# Altium PCB Main_Board.PcbDoc (part 14 of 19)
Units mil, origin at the board's own origin, x right, y up, seen from the top; angles counter-clockwise.
Board outline 5306 x 6610 mil, 12 copper layers ((L1) Top, (L2) Inner 1, (L3) Inner 2, (L4) Inner 3, (L5) Inner 4, (L6) Inner 5, (L7) Inner 6, (L8) Inner 7, (L9) Inner 8, (L10) Inner 9, (L11) Inner 10, (L12) Bottom), stack 94.81 mil thick; 347 components, 571 nets, 2611 pads, 4053 vias.
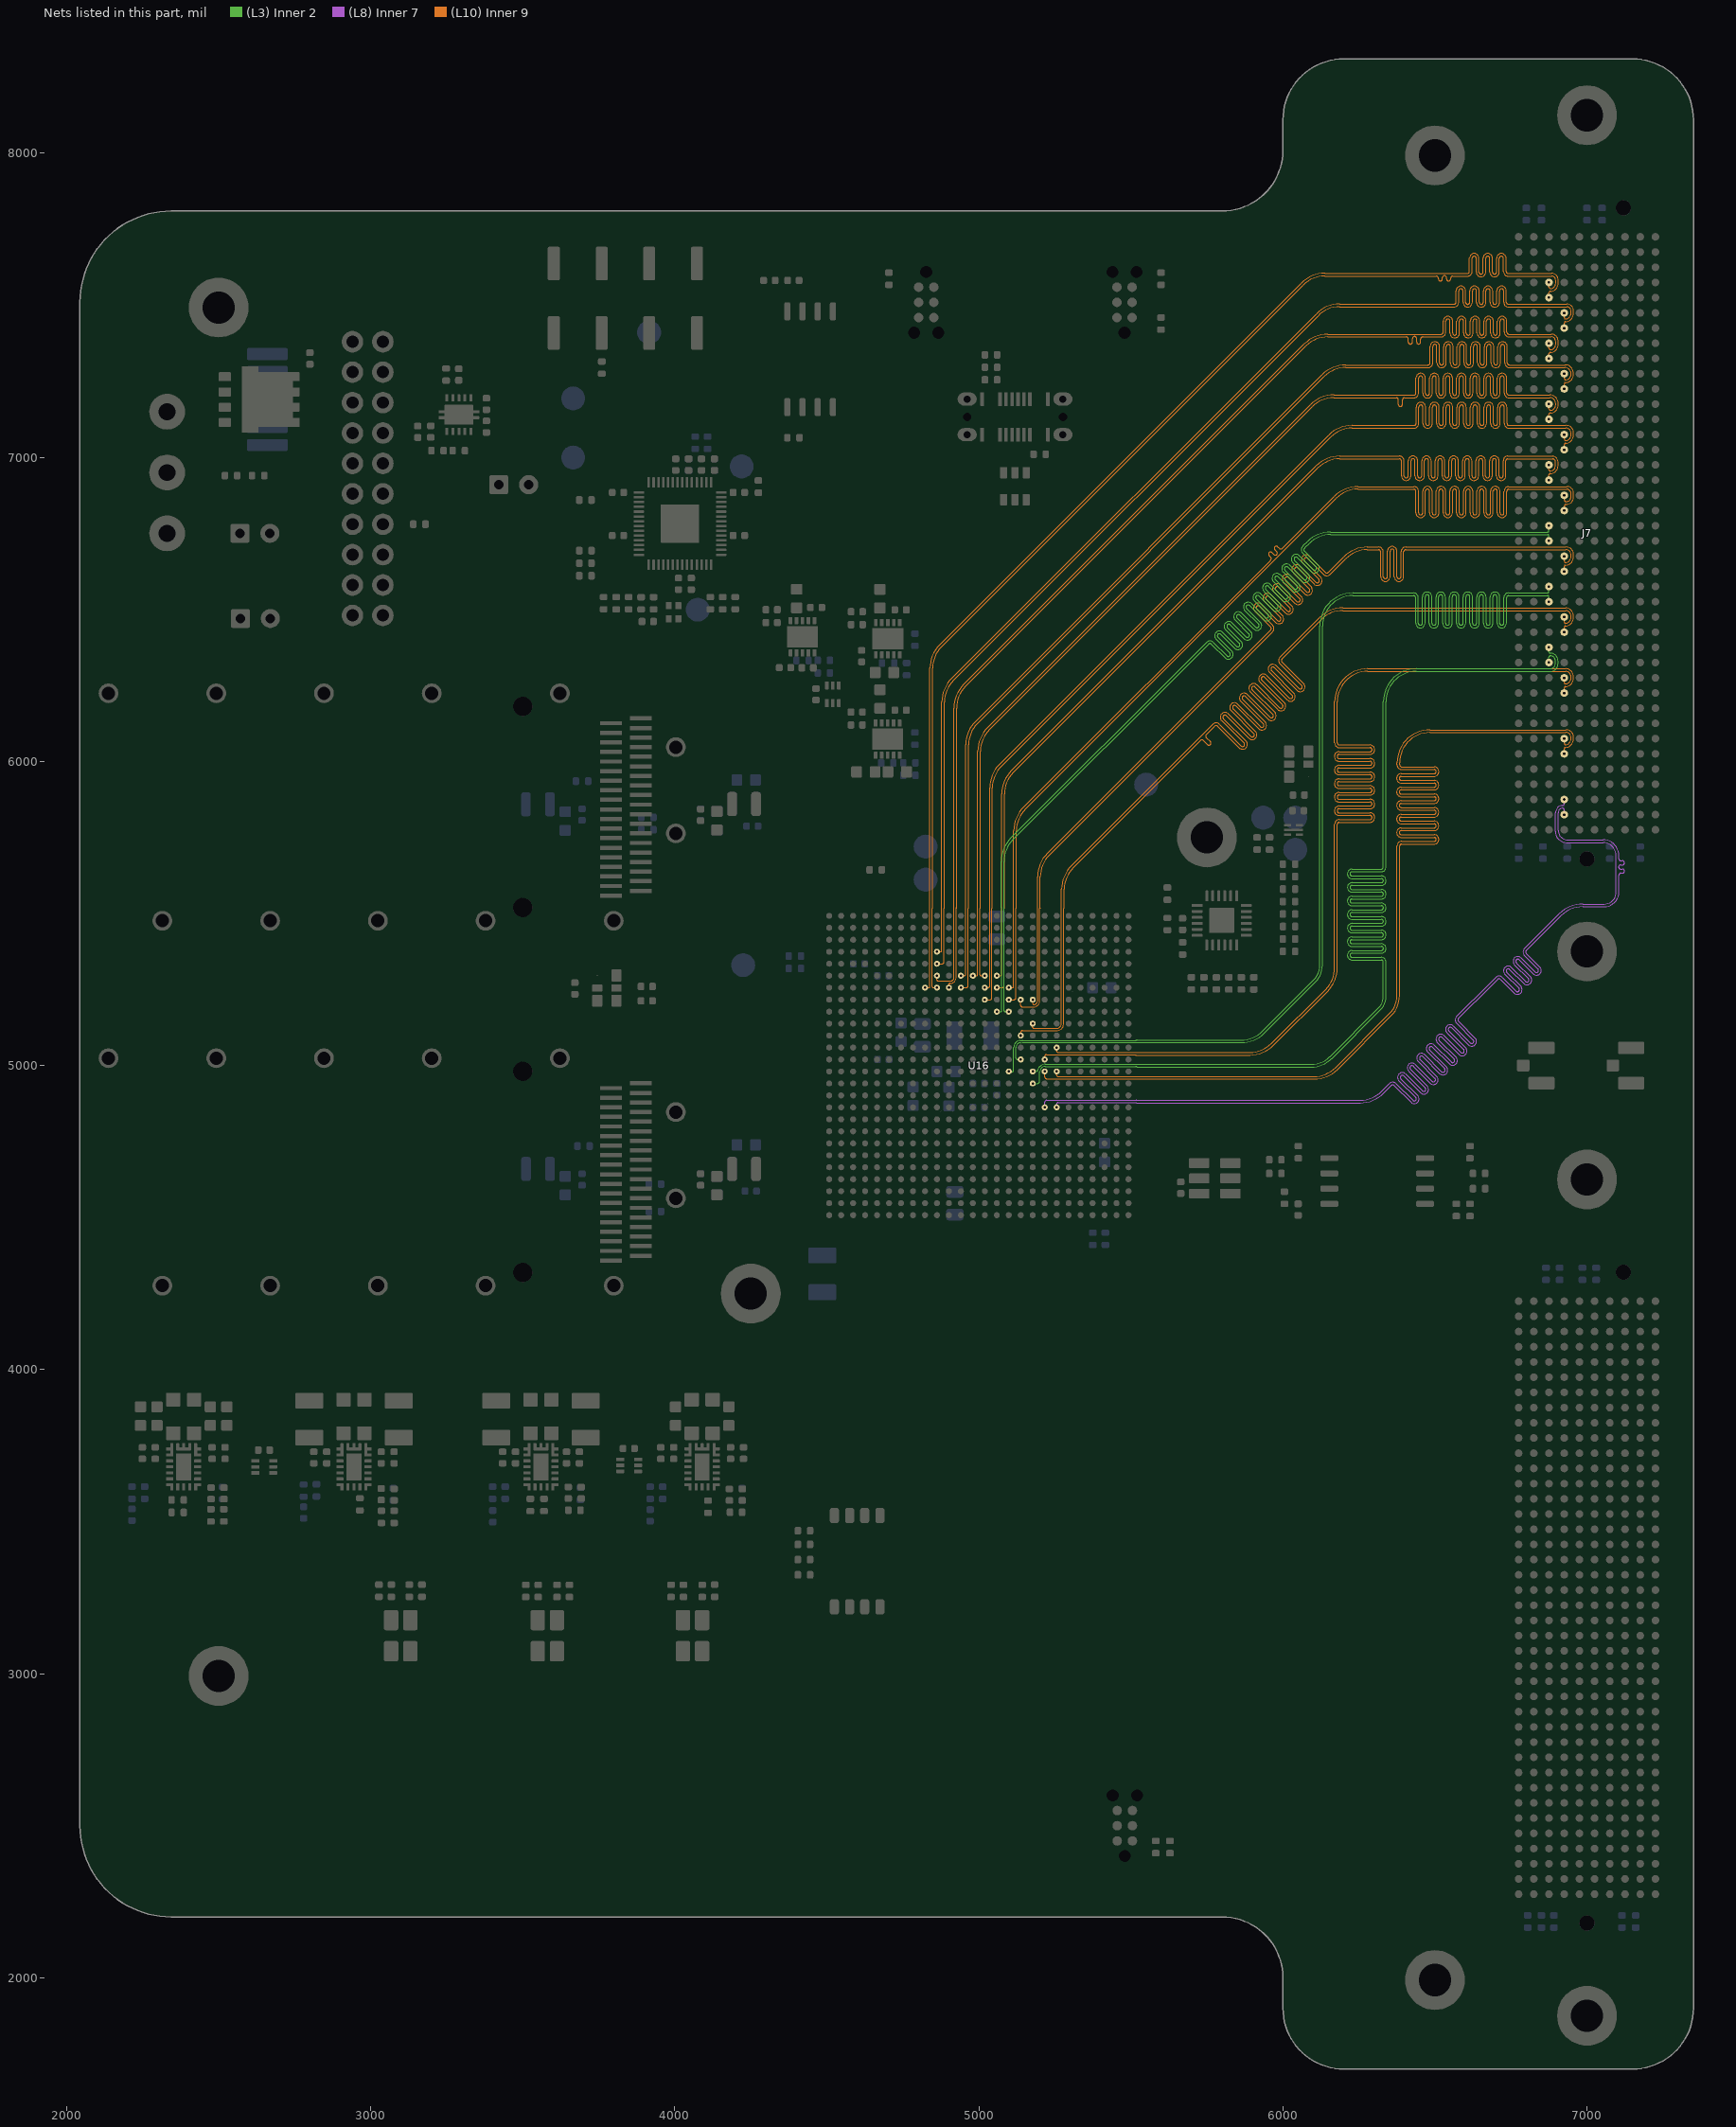
[diagram p24: the nets of this part, all layers, seen from the top]

## Via types
v1: diameter 13.78, hole 7.87, (L1) Top to (L12) Bottom, tented both sides, 4044 vias
v2: diameter 13.78, hole 7.87, (L1) Top to (L12) Bottom, tented bottom, 9 vias

## Nets (pads, with @x,y where several pads share a name; then routed paths per layer and width w, separated by ;. In a path a pad name is that pad's centre, name@x,y a point inside that pad or via, vN(x,y) a via of type N, cw(c..) or ccw(c..) an arc to the next point about the centre after c; other vN are vias at no path point) (continued)
HPCC_B_45_N: J7.G7 U16.D10 | length 3962.2
  (L10) Inner 9 w3.5: v1(4862.2,5374.02) 4873.97,5374.02 ccw(c4873.97,5378.04) 4878,5378.04 4878,6195.38 cw(c4986.8,6195.38) 4909.87,6272.31 6109.49,7471.93 cw(c6186.42,7395) 6186.42,7503.8 6556.79,7503.8 6562.94,7503.8 ccw(c6562.94,7510.55) 6569.69,7510.55 6569.69,7547.58 cw(c6585.24,7547.58) 6600.79,7547.58 6600.79,7509.73 ccw(c6607.54,7509.73) 6614.29,7509.73 6614.29,7547.58 cw(c6629.84,7547.58) 6645.39,7547.58 6645.39,7509.73 ccw(c6652.14,7509.73) 6658.89,7509.73 6658.89,7547.58 cw(c6674.44,7547.58) 6689.99,7547.58 6689.99,7509.73 ccw(c6696.74,7509.73) 6703.49,7509.73 6703.49,7547.58 cw(c6719.04,7547.58) 6734.59,7547.58 6734.59,7510.55 ccw(c6741.34,7510.55) 6741.34,7503.8 6760.53,7503.8 6934,7503.8 cw(c6934,7482) 6955.8,7482 6955.8,7473 cw(c6929,7473) 6929,7446.2 ccw(c6929,7442.2) 6925,7442.2 v1(6925,7425)
HPCC_B_45_P: J7.G6 U16.E10 | length 3965.8
  (L10) Inner 9 w3.5: v1(4862.2,5334.65) 4879.19,5334.65 ccw(c4879.19,5340.81) 4885.35,5340.81 4885.35,5516.23 cw(c4887.83,5516.23) 4886.07,5517.98 ; 4886.08,5517.98 ccw(c4884.32,5519.73) 4886.8,5519.73 4886.8,6195.38 cw(c4986.8,6195.38) 4916.09,6266.09 6115.71,7465.71 cw(c6186.42,7395) 6186.42,7495 6556.79,7495 6562.94,7495 ccw(c6562.94,7510.55) 6578.49,7510.55 6578.49,7547.58 cw(c6585.24,7547.58) 6591.99,7547.58 6591.99,7509.73 ccw(c6607.54,7509.73) 6623.09,7509.73 6623.09,7547.58 cw(c6629.84,7547.58) 6636.59,7547.58 6636.59,7509.73 ccw(c6652.14,7509.73) 6667.69,7509.73 6667.69,7547.58 cw(c6674.44,7547.58) 6681.19,7547.58 6681.19,7509.73 ccw(c6696.74,7509.73) 6712.29,7509.73 6712.29,7547.58 cw(c6719.04,7547.58) 6725.79,7547.58 6725.79,7510.55 ccw(c6741.34,7510.55) 6741.34,7495 6760.53,7495 6934,7495 cw(c6934,7482) 6947,7482 6947,7473 cw(c6929,7473) 6929,7455 cw(c6929,7459) 6925,7459 v1(6925,7475)
HPCC_B_46_N: J7.G11 U16.F12 | length 4190.1
  (L10) Inner 9 w3.5: v1(4940.94,5295.28) 4952.05,5295.28 ccw(c4952.05,5300.23) 4957,5300.23 4957,6054.38 cw(c5065.8,6054.38) 4988.87,6131.31 6129.49,7271.93 cw(c6206.42,7195) 6206.42,7303.8 6470.99,7303.8 6477.14,7303.8 ccw(c6477.14,7310.55) 6483.89,7310.55 6483.89,7364.31 cw(c6499.44,7364.31) 6514.99,7364.31 6514.99,7310.41 ccw(c6521.74,7310.41) 6528.49,7310.41 6528.49,7364.31 cw(c6544.04,7364.31) 6559.59,7364.31 6559.59,7310.41 ccw(c6566.34,7310.41) 6573.09,7310.41 6573.09,7364.31 cw(c6588.64,7364.31) 6604.19,7364.31 6604.19,7310.41 ccw(c6610.94,7310.41) 6617.69,7310.41 6617.69,7364.31 cw(c6633.24,7364.31) 6648.79,7364.31 6648.79,7310.41 ccw(c6655.54,7310.41) 6662.29,7310.41 6662.29,7364.31 cw(c6677.84,7364.31) 6693.39,7364.31 6693.39,7310.41 ccw(c6700.14,7310.41) 6706.89,7310.41 6706.89,7364.31 cw(c6722.44,7364.31) 6737.99,7364.31 6737.99,7310.55 ccw(c6744.74,7310.55) 6744.74,7303.8 6776.22,7303.8 6928,7303.8 cw(c6928,7276) 6955.8,7276 6955.8,7272 cw(c6930,7272) 6930,7246.2 ccw(c6930,7241.2) 6925,7241.2 v1(6925,7225)
HPCC_B_46_P: J7.G10 U16.G12 | length 4194
  (L10) Inner 9 w3.5: v1(4940.94,5255.91) 4958.24,5255.91 ccw(c4958.24,5262.02) 4964.35,5262.02 4964.35,5516.23 cw(c4966.83,5516.23) 4965.07,5517.98 ; 4965.08,5517.98 ccw(c4963.32,5519.73) 4965.8,5519.73 4965.8,6054.38 cw(c5065.8,6054.38) 4995.09,6125.09 6135.71,7265.71 cw(c6206.42,7195) 6206.42,7295 6470.99,7295 6477.14,7295 ccw(c6477.14,7310.55) 6492.69,7310.55 6492.69,7364.31 cw(c6499.44,7364.31) 6506.19,7364.31 6506.19,7310.41 ccw(c6521.74,7310.41) 6537.29,7310.41 6537.29,7364.31 cw(c6544.04,7364.31) 6550.79,7364.31 6550.79,7310.41 ccw(c6566.34,7310.41) 6581.89,7310.41 6581.89,7364.31 cw(c6588.64,7364.31) 6595.39,7364.31 6595.39,7310.41 ccw(c6610.94,7310.41) 6626.49,7310.41 6626.49,7364.31 cw(c6633.24,7364.31) 6639.99,7364.31 6639.99,7310.41 ccw(c6655.54,7310.41) 6671.09,7310.41 6671.09,7364.31 cw(c6677.84,7364.31) 6684.59,7364.31 6684.59,7310.41 ccw(c6700.14,7310.41) 6715.69,7310.41 6715.69,7364.31 cw(c6722.44,7364.31) 6729.19,7364.31 6729.19,7310.55 ccw(c6744.74,7310.55) 6744.74,7295 6776.22,7295 6928,7295 cw(c6928,7276) 6947,7276 6947,7272 cw(c6930,7272) 6930,7255 cw(c6930,7260) 6925,7260 v1(6925,7275)
HPCC_B_47_N: J7.G15 U16.G14 | length 4119.5
  (L10) Inner 9 w3.5: v1(5019.69,5255.91) 5031.19,5255.91 ccw(c5031.19,5260.22) 5035.5,5260.22 5035.5,5912.88 cw(c5144.3,5912.88) 5067.37,5989.81 6150.49,7072.93 cw(c6227.42,6996) 6227.42,7104.8 6384,7104.8 6431.35,7104.8 ccw(c6431.35,7111.55) 6438.1,7111.55 6438.1,7165.19 cw(c6453.65,7165.19) 6469.2,7165.19 6469.2,7111.42 ccw(c6475.95,7111.42) 6482.7,7111.42 6482.7,7165.19 cw(c6498.25,7165.19) 6513.8,7165.19 6513.8,7111.42 ccw(c6520.55,7111.42) 6527.3,7111.42 6527.3,7165.19 cw(c6542.85,7165.19) 6558.4,7165.19 6558.4,7111.42 ccw(c6565.15,7111.42) 6571.9,7111.42 6571.9,7165.19 cw(c6587.45,7165.19) 6603,7165.19 6603,7111.42 ccw(c6609.75,7111.42) 6616.5,7111.42 6616.5,7165.19 cw(c6632.05,7165.19) 6647.6,7165.19 6647.6,7111.42 ccw(c6654.35,7111.42) 6661.1,7111.42 6661.1,7165.19 cw(c6676.65,7165.19) 6692.2,7165.19 6692.2,7111.42 ccw(c6698.95,7111.42) 6705.7,7111.42 6705.7,7165.19 cw(c6721.25,7165.19) 6736.8,7165.19 6736.8,7111.55 ccw(c6743.55,7111.55) 6743.55,7104.8 6772,7104.8 6931,7104.8 cw(c6931,7080) 6955.8,7080 6955.8,7072 cw(c6930,7072) 6930,7046.2 ccw(c6930,7041.2) 6925,7041.2 v1(6925,7025)
HPCC_B_47_P: J7.G14 U16.H14 | length 4123.5
  (L10) Inner 9 w3.5: v1(5019.69,5216.54) 5037.55,5216.54 ccw(c5037.55,5221.83) 5042.85,5221.83 5042.85,5516.23 cw(c5045.33,5516.23) 5043.58,5517.98 ccw(c5041.83,5519.73) 5044.3,5519.73 5044.3,5912.88 cw(c5144.3,5912.88) 5073.59,5983.59 6156.71,7066.71 cw(c6227.42,6996) 6227.42,7096 6384,7096 6431.35,7096 ccw(c6431.35,7111.55) 6446.9,7111.55 6446.9,7165.19 cw(c6453.65,7165.19) 6460.4,7165.19 6460.4,7111.42 ccw(c6475.95,7111.42) 6491.5,7111.42 6491.5,7165.19 cw(c6498.25,7165.19) 6505,7165.19 6505,7111.42 ccw(c6520.55,7111.42) 6536.1,7111.42 6536.1,7165.19 cw(c6542.85,7165.19) 6549.6,7165.19 6549.6,7111.42 ccw(c6565.15,7111.42) 6580.7,7111.42 6580.7,7165.19 cw(c6587.45,7165.19) 6594.2,7165.19 6594.2,7111.42 ccw(c6609.75,7111.42) 6625.3,7111.42 6625.3,7165.19 cw(c6632.05,7165.19) 6638.8,7165.19 6638.8,7111.42 ccw(c6654.35,7111.42) 6669.9,7111.42 6669.9,7165.19 cw(c6676.65,7165.19) 6683.4,7165.19 6683.4,7111.42 ccw(c6698.95,7111.42) 6714.5,7111.42 6714.5,7165.19 cw(c6721.25,7165.19) 6728,7165.19 6728,7111.55 ccw(c6743.55,7111.55) 6743.55,7096 6772,7096 6931,7096 cw(c6931,7080) 6947,7080 6947,7072 cw(c6930,7072) 6930,7055 cw(c6930,7060) 6925,7060 v1(6925,7075)
HPCC_B_48_N: J7.G19 U16.G16 | length 4180.6
  (L10) Inner 9 w3.5: v1(5098.43,5255.91) 5110.74,5255.91 ccw(c5110.74,5259.71) 5114.54,5259.71 5114.54,5771.92 cw(c5223.34,5771.92) 5146.41,5848.85 5958.52,6660.96 5959.75,6662.2 ccw(c5954.98,6666.97) 5959.75,6671.74 5954.32,6677.18 cw(c5959.09,6681.95) 5954.32,6686.73 cw(c5959.09,6681.95) 5963.86,6686.73 5970.32,6680.26 ccw(c5975.1,6685.04) 5979.87,6680.26 ccw(c5975.1,6685.04) 5979.87,6689.81 5973.41,6696.27 cw(c5978.18,6701.05) 5973.41,6705.82 cw(c5978.18,6701.05) 5982.95,6705.82 5988.39,6700.38 ccw(c5993.16,6705.15) 5997.94,6700.38 6010.78,6713.22 6169.49,6871.93 cw(c6246.42,6795) 6246.42,6903.8 6411.24,6903.8 6430.65,6903.8 cw(c6430.65,6888.25) 6446.2,6888.25 6446.2,6817.42 ccw(c6452.95,6817.42) 6459.7,6817.42 6459.7,6888.39 cw(c6475.25,6888.39) 6490.8,6888.39 6490.8,6817.42 ccw(c6497.55,6817.42) 6504.3,6817.42 6504.3,6888.39 cw(c6519.85,6888.39) 6535.4,6888.39 6535.4,6817.42 ccw(c6542.15,6817.42) 6548.9,6817.42 6548.9,6888.39 cw(c6564.45,6888.39) 6580,6888.39 6580,6817.42 ccw(c6586.75,6817.42) 6593.5,6817.42 6593.5,6888.39 cw(c6609.05,6888.39) 6624.6,6888.39 6624.6,6817.42 ccw(c6631.35,6817.42) 6638.1,6817.42 6638.1,6888.39 cw(c6653.65,6888.39) 6669.2,6888.39 6669.2,6817.42 ccw(c6675.95,6817.42) 6682.7,6817.42 6682.7,6888.39 cw(c6698.25,6888.39) 6713.8,6888.39 6713.8,6817.42 ccw(c6720.55,6817.42) 6727.3,6817.42 6727.3,6888.25 cw(c6742.85,6888.25) 6742.85,6903.8 6749,6903.8 6934,6903.8 cw(c6934,6882) 6955.8,6882 6955.8,6870 cw(c6931,6870) 6931,6845.2 ccw(c6931,6839.2) 6925,6839.2 v1(6925,6825)
HPCC_B_48_P: J7.G18 U16.H16 | length 4121.6
  (L10) Inner 9 w3.5: v1(5098.43,5216.54) 5115.98,5216.54 ccw(c5115.98,5222.45) 5121.89,5222.45 5121.89,5516.23 cw(c5124.36,5516.23) 5122.61,5517.98 ccw(c5120.86,5519.73) 5123.34,5519.73 5123.34,5771.92 cw(c5223.34,5771.92) 5152.63,5842.63 6175.71,6865.71 cw(c6246.42,6795) 6246.42,6895 6411.24,6895 6430.65,6895 cw(c6430.65,6888.25) 6437.4,6888.25 6437.4,6817.42 ccw(c6452.95,6817.42) 6468.5,6817.42 6468.5,6888.39 cw(c6475.25,6888.39) 6482,6888.39 6482,6817.42 ccw(c6497.55,6817.42) 6513.1,6817.42 6513.1,6888.39 cw(c6519.85,6888.39) 6526.6,6888.39 6526.6,6817.42 ccw(c6542.15,6817.42) 6557.7,6817.42 6557.7,6888.39 cw(c6564.45,6888.39) 6571.2,6888.39 6571.2,6817.42 ccw(c6586.75,6817.42) 6602.3,6817.42 6602.3,6888.39 cw(c6609.05,6888.39) 6615.8,6888.39 6615.8,6817.42 ccw(c6631.35,6817.42) 6646.9,6817.42 6646.9,6888.39 cw(c6653.65,6888.39) 6660.4,6888.39 6660.4,6817.42 ccw(c6675.95,6817.42) 6691.5,6817.42 6691.5,6888.39 cw(c6698.25,6888.39) 6705,6888.39 6705,6817.42 ccw(c6720.55,6817.42) 6736.1,6817.42 6736.1,6888.25 cw(c6742.85,6888.25) 6742.85,6895 6749,6895 6934,6895 cw(c6934,6882) 6947,6882 6947,6870 cw(c6931,6870) 6931,6854 cw(c6931,6860) 6925,6860 v1(6925,6875)
HPCC_B_49_N: J7.G23 U16.H18 | length 4192.7
  (L10) Inner 9 w3.5: v1(5177.17,5216.54) 5177.17,5204 ccw(c5180.85,5204) 5180.85,5200.31 ccw(c5180.85,5212.46) 5193,5212.46 5193,5620.38 cw(c5301.8,5620.38) 5224.87,5697.31 5955.43,6427.87 5959.77,6432.22 ccw(c5955,6436.99) 5959.77,6441.77 5907.36,6494.18 cw(c5918.33,6505.2) 5907.34,6516.19 cw(c5918.33,6505.2) 5927.87,6517.48 5928.04,6517.48 5982.25,6463.27 ccw(c5987.01,6468.06) 5991.78,6463.29 ccw(c5987.01,6468.06) 5991.76,6472.85 5938.9,6525.71 cw(c5949.87,6536.73) 5938.87,6547.73 cw(c5949.87,6536.73) 5959.4,6549.02 5959.58,6549.02 6013.79,6494.8 ccw(c6018.54,6499.6) 6023.31,6494.83 ccw(c6018.54,6499.6) 6023.3,6504.39 5970.44,6557.25 cw(c5981.41,6568.27) 5970.41,6579.27 cw(c5981.41,6568.27) 5990.94,6580.56 5991.11,6580.56 6045.33,6526.34 ccw(c6050.08,6531.14) 6054.85,6526.36 ccw(c6050.08,6531.14) 6054.84,6535.92 ; 6033.51,6620.32 6086.36,6567.47 cw(c6081.62,6562.67) 6086.39,6557.9 cw(c6081.62,6562.67) 6076.86,6557.88 6022.65,6612.09 6022.48,6612.09 ccw(c6012.94,6599.81) 6001.95,6610.8 ccw(c6012.94,6599.81) 6001.96,6588.8 6054.82,6535.94 ; 6033.5,6620.33 cw(c6044.48,6631.35) 6033.48,6642.34 cw(c6044.48,6631.35) 6054.01,6643.63 6054.19,6643.63 6108.4,6589.41 ccw(c6113.15,6594.21) 6117.93,6589.44 ccw(c6113.15,6594.21) 6117.91,6599 6065.05,6651.86 cw(c6076.02,6662.88) 6065.02,6673.88 cw(c6076.02,6662.88) 6085.55,6675.17 6085.72,6675.17 6139.45,6621.44 ccw(c6144.22,6626.21) 6149,6621.44 6161.55,6634 6200.49,6672.93 cw(c6277.42,6596) 6277.42,6704.8 6281,6704.8 6314.65,6704.8 cw(c6314.65,6689.25) 6330.2,6689.25 6330.2,6607.6 ccw(c6336.95,6607.6) 6343.7,6607.6 6343.7,6691.55 cw(c6359.25,6691.55) 6374.8,6691.55 6374.8,6607.6 ccw(c6381.55,6607.6) 6388.3,6607.6 6388.3,6689.25 cw(c6403.85,6689.25) 6403.85,6704.8 6410,6704.8 6931,6704.8 cw(c6931,6680) 6955.8,6680 6955.8,6672 cw(c6929,6672) 6929,6645.2 ccw(c6929,6641.2) 6925,6641.2 v1(6925,6625)
HPCC_B_49_P: J7.G22 U16.H17 | length 4210.2
  (L10) Inner 9 w3.5: v1(5137.8,5216.54) 5137.8,5197.67 ccw(c5142.5,5197.67) 5142.5,5192.96 5180.85,5192.96 ccw(c5180.85,5212.46) 5200.35,5212.46 5200.35,5516.23 cw(c5202.83,5516.23) 5201.07,5517.98 ; 5201.08,5517.98 ccw(c5199.32,5519.73) 5201.8,5519.73 5201.8,5620.38 cw(c5301.8,5620.38) 5231.09,5691.09 5961.65,6421.65 5966,6426 ccw(c5955,6436.99) 5966,6447.99 5913.54,6500.45 cw(c5918.33,6505.2) 5913.56,6509.97 cw(c5918.33,6505.2) 5923.12,6509.95 ; 5923.13,6509.94 5975.98,6457.09 ccw(c5987.01,6468.06) 5998,6457.07 ccw(c5987.01,6468.06) 5999.29,6477.6 5999.29,6477.77 5945.07,6531.98 cw(c5949.87,6536.73) 5945.1,6541.51 cw(c5949.87,6536.73) 5954.66,6541.49 6007.52,6488.63 ; 5986.21,6573.02 6039.06,6520.17 ccw(c6050.08,6531.14) 6061.07,6520.14 ccw(c6050.08,6531.14) 6062.36,6540.67 6062.36,6540.84 6008.15,6595.06 cw(c6012.94,6599.81) 6008.17,6604.58 cw(c6012.94,6599.81) 6017.73,6604.57 6070.59,6551.7 ccw(c6081.62,6562.67) 6092.61,6551.68 ccw(c6081.62,6562.67) 6093.9,6572.21 6093.9,6572.38 6039.68,6626.59 cw(c6044.48,6631.35) 6039.71,6636.12 cw(c6044.48,6631.35) 6049.27,6636.1 ; 5986.2,6573.03 ccw(c5981.41,6568.27) 5976.63,6573.04 ccw(c5981.41,6568.27) 5976.61,6563.52 6030.83,6509.31 6030.83,6509.13 cw(c6018.54,6499.6) 6029.54,6488.6 cw(c6018.54,6499.6) 6007.53,6488.62 ; 6049.28,6636.09 6102.13,6583.24 ccw(c6113.15,6594.21) 6124.15,6583.21 ccw(c6113.15,6594.21) 6125.44,6603.74 6125.44,6603.92 6071.22,6658.13 cw(c6076.02,6662.88) 6071.24,6667.65 cw(c6076.02,6662.88) 6080.81,6667.64 6133.2,6615.24 ccw(c6144.22,6626.21) 6155.22,6615.22 6167.77,6627.77 6206.71,6666.71 cw(c6277.42,6596) 6277.42,6696 6281,6696 6314.65,6696 cw(c6314.65,6689.25) 6321.4,6689.25 6321.4,6607.6 ccw(c6336.95,6607.6) 6352.5,6607.6 6352.5,6691.55 cw(c6359.25,6691.55) 6366,6691.55 6366,6607.6 ccw(c6381.55,6607.6) 6397.1,6607.6 6397.1,6689.25 cw(c6403.85,6689.25) 6403.85,6696 6410,6696 6931,6696 cw(c6931,6680) 6947,6680 6947,6672 cw(c6929,6672) 6929,6654 cw(c6929,6658) 6925,6658 v1(6925,6675)
HPCC_B_50_N: J7.G27 U16.K18 | length 4369.4
  (L10) Inner 9 w3.5: v1(5177.17,5137.8) 5177,5137.8 5177,5126 ccw(c5181,5126) 5181,5122 5255.5,5122 ccw(c5255.5,5138.5) 5272,5138.5 5272,5579.38 cw(c5380.8,5579.38) 5303.87,5656.31 5752.78,6105.22 5769.6,6122.05 cw(c5780.6,6111.05) 5791.59,6122.05 5862.82,6050.82 ccw(c5867.57,6055.61) 5872.34,6050.84 ccw(c5867.57,6055.61) 5872.33,6060.4 ; 5829.69,6166.11 5903.85,6091.95 cw(c5899.11,6087.15) 5903.88,6082.38 cw(c5899.11,6087.15) 5894.35,6082.36 5818.83,6157.88 5818.65,6157.88 ccw(c5809.12,6145.6) 5798.13,6156.6 ccw(c5809.12,6145.6) 5798.14,6134.59 5872.31,6060.41 ; 5829.68,6166.13 cw(c5840.66,6177.14) 5829.66,6188.13 cw(c5840.66,6177.14) 5850.19,6189.42 5850.36,6189.42 5925.89,6113.89 ccw(c5930.64,6118.69) 5935.42,6113.92 ccw(c5930.64,6118.69) 5935.4,6123.48 5861.23,6197.65 ; 5861.21,6197.66 cw(c5872.19,6208.67) 5861.2,6219.67 cw(c5872.19,6208.67) 5881.73,6220.96 5881.9,6220.96 5957.43,6145.43 ccw(c5962.18,6150.23) 5966.95,6145.45 ccw(c5962.18,6150.23) 5966.94,6155.01 ; 5924.3,6260.72 5998.46,6186.56 cw(c5993.72,6181.76) 5998.49,6176.99 cw(c5993.72,6181.76) 5988.97,6176.97 5913.44,6252.49 5913.27,6252.49 ccw(c5903.73,6240.21) 5892.74,6251.21 ccw(c5903.73,6240.21) 5892.75,6229.2 5966.93,6155.03 ; 5924.29,6260.74 cw(c5935.27,6271.75) 5924.27,6282.74 cw(c5935.27,6271.75) 5944.8,6284.03 5944.97,6284.03 6020.5,6208.5 ccw(c6025.25,6213.3) 6030.03,6208.53 ccw(c6025.25,6213.3) 6030.01,6218.09 5955.84,6292.26 cw(c5966.8,6303.28) 5955.81,6314.28 cw(c5966.8,6303.28) 5976.34,6315.57 5976.51,6315.57 6052.04,6240.04 ccw(c6056.79,6244.84) 6061.56,6240.06 ccw(c6056.79,6244.84) 6061.55,6249.62 ; 6061.54,6249.64 5990.39,6320.79 cw(c6001.35,6331.81) 5990.36,6342.8 5994.71,6347.15 6120.49,6472.93 cw(c6197.42,6396) 6197.42,6504.8 6930,6504.8 cw(c6930,6479) 6955.8,6479 6955.8,6472 cw(c6929,6472) 6929,6445.2 ccw(c6929,6441.2) 6925,6441.2 v1(6925,6425)
HPCC_B_50_P: J7.G26 U16.L17 | length 4432.6
  (L10) Inner 9 w3.5: v1(5137.8,5098.43) 5137.8,5108.8 cw(c5143.65,5108.8) 5143.65,5114.65 5255.5,5114.65 ccw(c5255.5,5138.5) 5279.35,5138.5 5279.35,5516.23 cw(c5281.83,5516.23) 5280.07,5517.98 ; 5280.08,5517.98 ccw(c5278.32,5519.73) 5280.8,5519.73 5280.8,5579.38 cw(c5380.8,5579.38) 5310.09,5650.09 5718,6058 5728.78,6068.78 cw(c5733.56,6064.01) 5738.33,6068.78 5751.69,6055.43 ccw(c5756.46,6060.2) 5761.23,6055.43 ccw(c5756.46,6060.2) 5761.23,6064.97 5747.88,6078.33 cw(c5752.65,6083.1) 5747.88,6087.88 5759,6099 5775.82,6115.82 cw(c5780.6,6111.05) 5785.37,6115.82 5856.55,6044.65 ccw(c5867.57,6055.61) 5878.56,6044.62 ccw(c5867.57,6055.61) 5879.85,6065.15 5879.85,6065.32 5804.33,6140.85 cw(c5809.12,6145.6) 5804.35,6150.37 cw(c5809.12,6145.6) 5813.91,6150.36 5888.08,6076.18 ; 5876.99,6213.42 5951.16,6139.26 ccw(c5962.18,6150.23) 5973.17,6139.23 ccw(c5962.18,6150.23) 5974.46,6159.76 5974.46,6159.93 5898.94,6235.46 cw(c5903.73,6240.21) 5898.96,6244.98 cw(c5903.73,6240.21) 5908.52,6244.97 ; 5876.98,6213.43 ccw(c5872.19,6208.67) 5867.42,6213.45 ccw(c5872.19,6208.67) 5867.4,6203.92 5942.93,6128.4 5942.93,6128.22 cw(c5930.64,6118.69) 5941.64,6107.69 cw(c5930.64,6118.69) 5919.63,6107.71 ; 5888.09,6076.17 ccw(c5899.11,6087.15) 5910.1,6076.16 ccw(c5899.11,6087.15) 5911.39,6096.69 5911.39,6096.86 5835.86,6172.39 cw(c5840.66,6177.14) 5835.88,6181.91 cw(c5840.66,6177.14) 5845.45,6181.89 5919.62,6107.72 ; 5908.53,6244.96 5982.69,6170.79 ccw(c5993.72,6181.76) 6004.71,6170.77 ccw(c5993.72,6181.76) 6006,6191.3 6006,6191.47 5930.47,6267 cw(c5935.27,6271.75) 5930.49,6276.52 cw(c5935.27,6271.75) 5940.06,6276.5 6014.23,6202.33 ; 6014.24,6202.32 ccw(c6025.25,6213.3) 6036.25,6202.3 ccw(c6025.25,6213.3) 6037.54,6222.83 6037.54,6223.01 5962.01,6298.53 cw(c5966.8,6303.28) 5962.03,6308.06 cw(c5966.8,6303.28) 5971.59,6308.04 6045.77,6233.87 ; 6045.78,6233.86 ccw(c6056.79,6244.84) 6067.79,6233.84 ccw(c6056.79,6244.84) 6069.07,6254.37 6069.07,6254.54 5996.58,6327.04 cw(c6001.35,6331.81) 5996.58,6336.58 6000.93,6340.93 6126.71,6466.71 cw(c6197.42,6396) 6197.42,6496 6930,6496 cw(c6930,6479) 6947,6479 6947,6472 cw(c6929,6472) 6929,6454 cw(c6929,6458) 6925,6458 v1(6925,6475)
HPCC_B_51_N: J7.G31 U16.M20 | length 4240.4
  (L10) Inner 9 w3.5: v1(5255.91,5059.06) 5255.91,5048.09 ccw(c5260.85,5048.09) 5260.85,5043.15 5891.73,5043.15 ccw(c5891.73,5143.15) 5962.44,5072.44 6140.71,5250.71 ccw(c6070,5321.42) 6170,5321.42 6170,5743 6170,5793.25 cw(c6185.55,5793.25) 6185.55,5808.8 6286.45,5808.8 ccw(c6286.45,5815.55) 6286.45,5822.3 6184.63,5822.3 cw(c6184.63,5837.85) 6184.63,5853.4 6286.45,5853.4 ccw(c6286.45,5860.15) 6286.45,5866.9 6184.63,5866.9 cw(c6184.63,5882.45) 6184.63,5898 6286.45,5898 ccw(c6286.45,5904.75) 6286.45,5911.5 6184.63,5911.5 cw(c6184.63,5927.05) 6184.63,5942.6 6286.45,5942.6 ccw(c6286.45,5949.35) 6286.45,5956.1 6184.63,5956.1 cw(c6184.63,5971.65) 6184.63,5987.2 6286.45,5987.2 ccw(c6286.45,5993.95) 6286.45,6000.7 6184.63,6000.7 cw(c6184.63,6016.25) 6184.63,6031.8 6286.45,6031.8 ccw(c6286.45,6038.55) 6286.45,6045.3 6185.55,6045.3 cw(c6185.55,6060.85) 6170,6060.85 6170,6067 6170,6196 cw(c6278.8,6196) 6278.8,6304.8 6930,6304.8 cw(c6930,6279) 6955.8,6279 6955.8,6273 cw(c6929,6273) 6929,6246.2 ccw(c6929,6242.2) 6925,6242.2 v1(6925,6225)
HPCC_B_51_P: J7.G30 U16.N19 | length 4251.6
  (L10) Inner 9 w3.5: v1(5216.54,5019.69) 5216.54,5030 cw(c5222.34,5030) 5222.34,5035.8 5515,5035.8 ccw(c5516.45,5035.8) 5516.45,5034.35 5891.73,5034.35 ccw(c5891.73,5143.15) 5968.66,5066.22 6146.93,5244.49 ccw(c6070,5321.42) 6178.8,5321.42 6178.8,5743 6178.8,5793.25 cw(c6185.55,5793.25) 6185.55,5800 6286.45,5800 ccw(c6286.45,5815.55) 6286.45,5831.1 6184.63,5831.1 cw(c6184.63,5837.85) 6184.63,5844.6 6286.45,5844.6 ccw(c6286.45,5860.15) 6286.45,5875.7 6184.63,5875.7 cw(c6184.63,5882.45) 6184.63,5889.2 6286.45,5889.2 ccw(c6286.45,5904.75) 6286.45,5920.3 6184.63,5920.3 cw(c6184.63,5927.05) 6184.63,5933.8 6286.45,5933.8 ccw(c6286.45,5949.35) 6286.45,5964.9 6184.63,5964.9 cw(c6184.63,5971.65) 6184.63,5978.4 6286.45,5978.4 ccw(c6286.45,5993.95) 6286.45,6009.5 6184.63,6009.5 cw(c6184.63,6016.25) 6184.63,6023 6286.45,6023 ccw(c6286.45,6038.55) 6286.45,6054.1 6185.55,6054.1 cw(c6185.55,6060.85) 6178.8,6060.85 6178.8,6067 6178.8,6196 cw(c6278.8,6196) 6278.8,6296 6930,6296 cw(c6930,6279) 6947,6279 6947,6273 cw(c6929,6273) 6929,6255 cw(c6929,6259) 6925,6259 v1(6925,6275)
HPCC_B_52_N: J7.G35 U16.P20 | length 4197.4
  (L10) Inner 9 w3.5: v1(5255.91,4980.31) 5255.91,4968.12 ccw(c5260.02,4968.12) 5260.02,4964 6102.58,4964 ccw(c6102.58,5064) 6173.29,4993.29 6350,5170 ccw(c6289.64,5230.36) 6375,5230.36 6375,5694.35 6375,5721.25 cw(c6390.55,5721.25) 6390.55,5736.8 6497.42,5736.8 ccw(c6497.42,5743.55) 6497.42,5750.3 6389.33,5750.3 cw(c6389.33,5765.85) 6389.33,5781.4 6497.42,5781.4 ccw(c6497.42,5788.15) 6497.42,5794.9 6389.33,5794.9 cw(c6389.33,5810.45) 6389.33,5826 6497.42,5826 ccw(c6497.42,5832.75) 6497.42,5839.5 6389.33,5839.5 cw(c6389.33,5855.05) 6389.33,5870.6 6497.42,5870.6 ccw(c6497.42,5877.35) 6497.42,5884.1 6389.33,5884.1 cw(c6389.33,5899.65) 6389.33,5915.2 6497.42,5915.2 ccw(c6497.42,5921.95) 6497.42,5928.7 6389.33,5928.7 cw(c6389.33,5944.25) 6389.33,5959.8 6497.42,5959.8 ccw(c6497.42,5966.55) 6497.42,5973.3 6390.55,5973.3 cw(c6390.55,5988.85) 6375,5988.85 6375,5995 cw(c6483.8,5995) 6483.8,6103.8 6931,6103.8 cw(c6931,6079) 6955.8,6079 6955.8,6073 cw(c6929,6073) 6929,6046.2 ccw(c6929,6042.2) 6925,6042.2 v1(6925,6025)